# Altium PCB uTCA_MCH_PCB3.pcbdoc (part 2 of 25)
Units mil, origin at the board's own origin, x right, y up, seen from the top; angles counter-clockwise.
Board outline 7110.66 x 2894.12 mil, 12 copper layers (Top Layer, GND1, MidLayer1, PWR1, MidLayer2, GND2, PWR2, MidLayer3, GND3, MidLayer4, PWR3, Bottom Layer), stack 63.15 mil thick; 767 components, 905 nets, 4553 pads, 2832 vias.
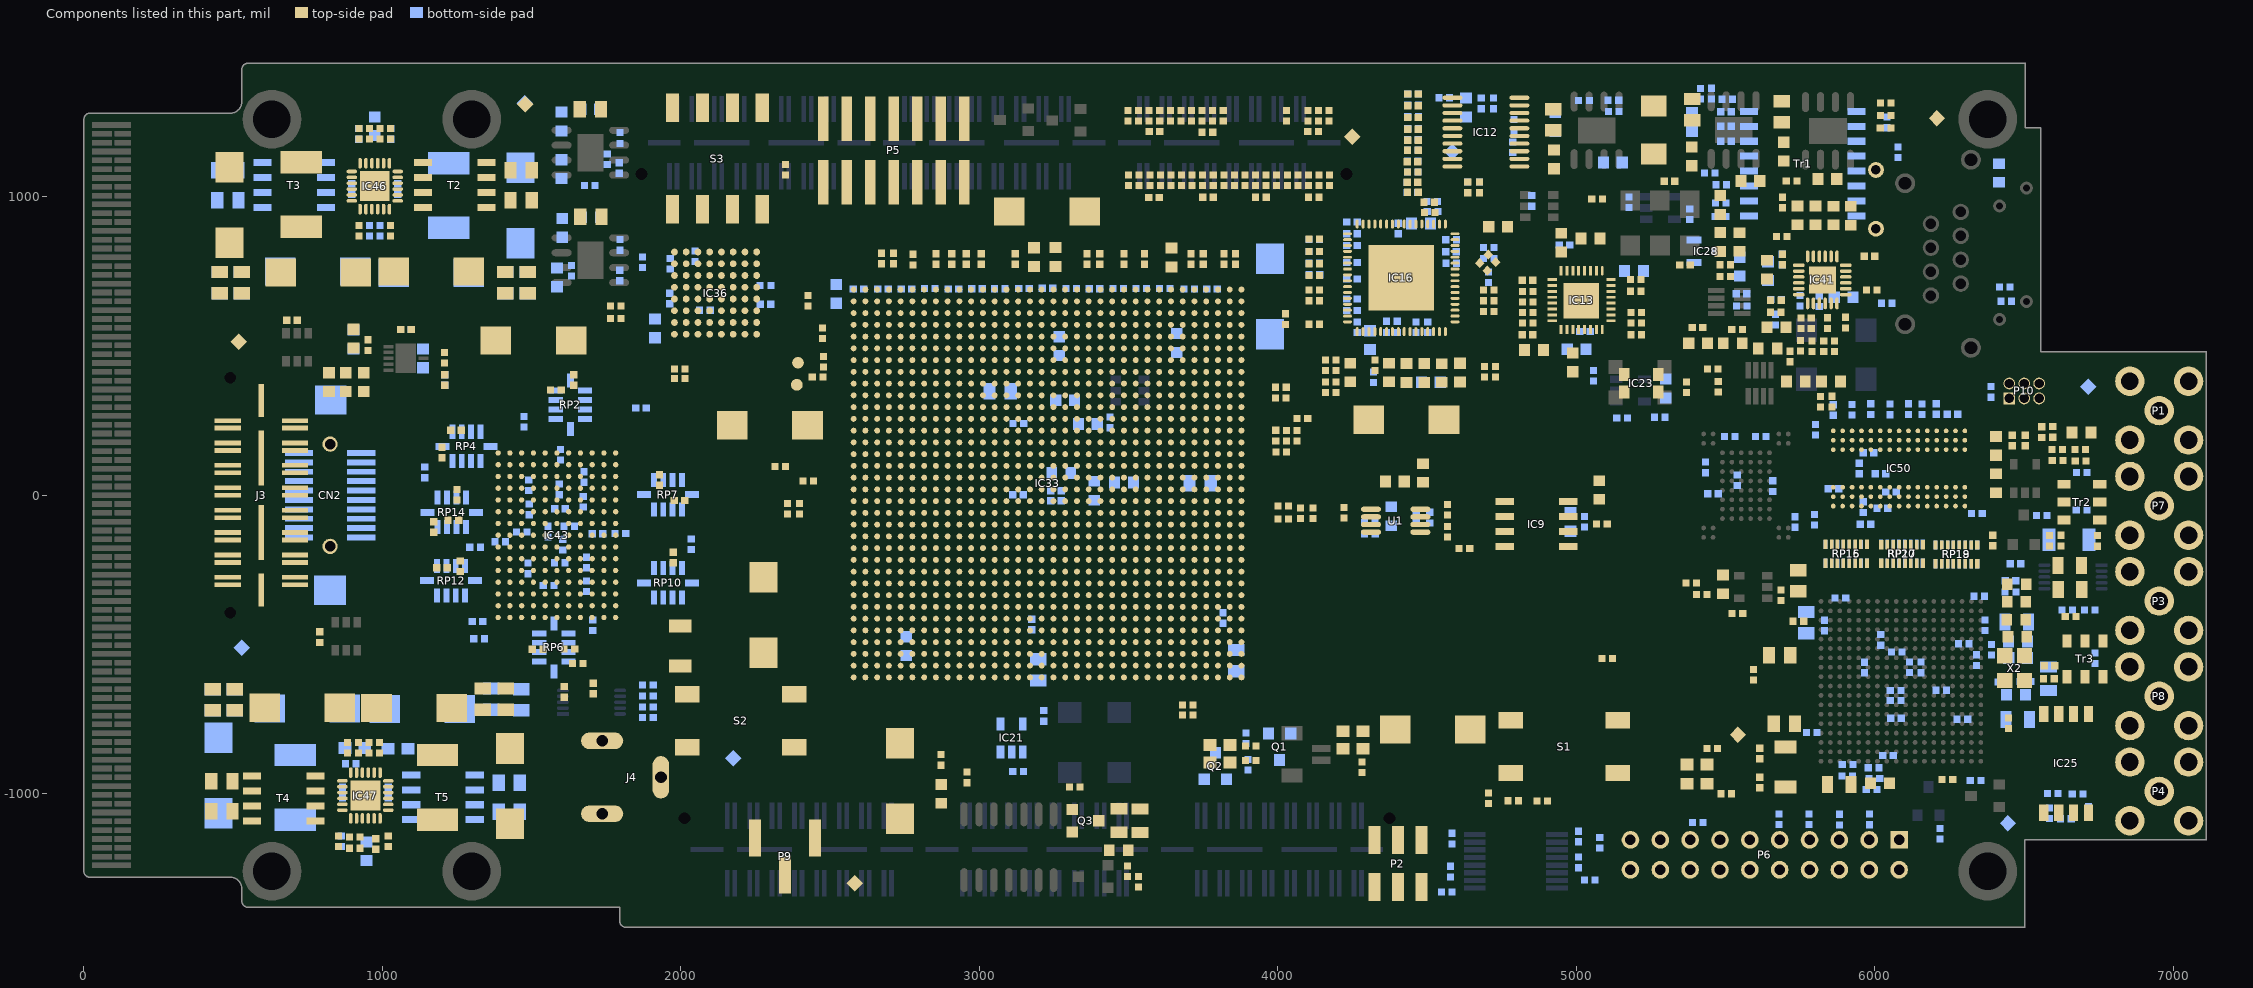
[diagram p12: the components of this part, seen from the top]

## Components (designator, comment, footprint, x,y, rotation, side; value= is the part's Value field where it differs from the comment) (continued)
L13 "IHLP2525CZER1R5M01" IHLP2525 728.35,1007.87 r270 top
L14 "IHLP2525CZER1R5M01" IHLP2525 708.2,-978.72 r90 bottom
L15 "IHLP2525CZER1R5M01" IHLP2525 1185.04,-978.35 r90 top
L16 "2200R@100MHz Ferrite Bead" 0805 6475.16,-424.49 r180 bottom
L17 "2200R@100MHz Ferrite Bead" 0805 6478.91,-751.53 r180 bottom
L18 "2200R@100MHz Ferrite Bead" 0805 5880.33,-968.83 r0 top
L19 "220R@100MHz Ferrite Bead" 0603 5735.48,380.69 r0 top
L20 "220R@100MHz Ferrite Bead" 0603 4486.38,74.48 r90 top
P1 "SMC" SMB_V-RJ45 6952.6,283.46 r0 top
P2 "MHDR2X3" HDR2x3_M22 4402.03,-1233.7 r0 top
P3 "SMC" SMB_V-RJ45 6952.6,-354.33 r0 top locked
P4 "SMC" SMB_V-RJ45 6952.6,-992.13 r0 top locked
P5 "Header 7X2" CONN_HDR_SMD_2mm_2x7 2949.72,1261.5 r180 top
P6 "Header 10X2" HDR2X10_SBH11 5631.21,-1204.67 r180 top locked
P7 "SMC" SMB_V-RJ45 6952.6,-35.43 r0 top locked
P8 "SMC" SMB_V-RJ45 6952.6,-673.23 r0 top locked
P9 "Header 3" HDR1x3_BG055 2448.93,-1147.66 r180 top
P10 "MHDR2X3" MHDR2X3_1.27mm 6450.35,324.36 r0 top
Q1 "NDS331N" SOT23-3 4005.91,-842.52 r0 bottom
Q2 "NDS331N" SOT23-3 3790.76,-907.06 r180 bottom
Q3 "NDS331N" SOT23-3 3355.58,-1090.69 r270 top
R1 "330R" 0402 6678.92,-1000.94 r0 bottom
R2 "o.c." 0402 5988.9,-985.68 r180 bottom
R3 "o.c." 0402 6430.35,-625.47 r180 bottom
R4 "10K" 0402 6389.59,346.09 r90 bottom
R5 "10k" 0402 6504.57,-624.68 r180 bottom
R6 "10k" 0402 5789.13,-795.04 r0 bottom
R7 "100K" 0402 5982.09,-1086.17 r90 bottom
R8 "100K" 0402 5881.93,-1086.44 r90 bottom
R9 "100K" 0402 5779.88,-1085.36 r90 bottom
R10 "100K" 0402 5679.45,-1085.63 r90 bottom
R11 "10k" 0402 5406.81,-1096.71 r0 bottom
R12 "4K7" 0402 6558.5,-67.17 r0 bottom
R13 "4K7" 0402 6719.33,-383.7 r0 bottom
R14 "4K7" 0402 6644.09,-383.94 r0 bottom
R15 "4K7" 0402 6293.39,-750.47 r0 bottom
R16 "4K7" 0402 1889.76,-744.09 r0 bottom
R17 "4K7" 0402 1889.76,-708.66 r0 bottom
R18 "4K7" 0402 1889.76,-635.83 r0 bottom
R19 "4K7" 0402 1889.76,-673.23 r0 bottom
R20 "470R" 0402 5457.18,422.64 r180 top
R21 "20R" 0603 4379.83,-70.53 r270 bottom
R22 "470R" 0402 5499.37,772.24 r180 top
R23 "49R9" 0402 4625.17,-178.64 r0 top
R24 "49R9" 0402 4308.27,-91.35 r0 bottom
R25 "49R9" 0402 4308.51,-129.2 r0 bottom
R26 "49R9" 0402 4568.86,-48.31 r90 top
R27 "49R9" 0402 4568.86,-122.55 r270 top
R28 "Jumper" 0402 5085.71,-95.84 r0 top
R29 "100R" 0402 4221.61,-59.1 r270 top
R30 "33R" 0402 4717.3,793.78 r315 top
R31 "100R" 0805 6653.02,-234.87 r180 top
R32 "100R" 0805 6653.67,-315.3 r180 top
R33 "470R" 0402 6584.88,-152.09 r90 top
R34 "33R" 0603 6405.86,40.05 r90 top
R35 "10k" 0402 6611.93,115.91 r0 top
R36 "2K2" 0402 6689.09,115.28 r180 top
R37 "10k" 0402 6611.06,153.19 r0 top
R38 "2K2" 0402 6688.46,153.07 r0 top
R39 "100R" 0402 2871.77,-886.77 r270 top
R40 "49R9" 0603 2871.97,-1000.63 r90 top
R41 "33R" 0603 3466.63,-1189.14 r0 top
R42 "200R" 0402 3496.5,-1259.09 r90 top
R43 "100R(o.c.)" 0402 4194.88,362.2 r90 top
R44 "100R(o.c.)" 0402 4159.45,362.2 r270 top
R45 "4K7" 0402 3900.37,-903.35 r270 bottom
R46 "330R" 0402 3893.94,-814.5 r270 bottom
R47 "4K7" 0402 2350.39,1090.55 r90 top
R48 "4K7" 0402 2425.94,651.61 r90 top
R49 "4K7" 0402 2474.41,543.31 r270 top
R50 "4K7" 0402 1781.5,592.52 r0 top
R51 "o.c." 0402 6218.73,-1134.45 r90 bottom
R52 "o.c." 0402 5103.22,-546.66 r0 top
R53 "o.c." 0402 5593.19,-601.32 r90 top
R54 "4K7" 0402 1996.06,423.23 r180 top
R55 "4K7" 0402 2047.13,800.35 r90 bottom
R56 "4K7" 0402 1995.91,390.79 r180 top
R57 "4K7" 0402 2283.46,702.76 r180 bottom
R58 "4K7" 0402 1781.5,633.86 r180 top
R59 "100R" 0402 2477.4,447.52 r90 top
R60 "o.c." 0402 4836.61,683.07 r180 top
R61 "o.c." 0402 4836.61,576.77 r180 top
R62 "o.c." 0402 4836.61,612.2 r180 top
R63 "33R" 0402 4508.22,947.48 r0 top
R64 "o.c." 0402 4836.61,647.64 r180 top
R65 "o.c." 0402 6737.4,-545.9 r90 bottom
R66 "o.c." 0402 5200.79,576.77 r0 top
R67 "o.c." 0402 5200.79,612.2 r0 top
R68 "200R" 0402 4449.9,1014.63 r0 bottom
R69 "75R" 0402 4707.03,829.86 r180 bottom
R70 "33R" 0402 4689.02,765.14 r315 top
R71 "200R" 0402 4450.62,1048.41 r0 bottom
R72 "200R" 0402 4122.05,775.59 r180 top
R73 "200R" 0402 4122.05,736.22 r180 top
R75 "49R9" 0402 3697.48,-735.79 r180 top
R76 "75R" 0402 4518.15,950.97 r180 bottom
R77 "49R9" 0402 3697.48,-702.13 r0 top
R78 "33R" 0402 4507.62,981.52 r0 top
R79 "820R" 0603 4549.21,409.45 r270 top
R80 "390R" 0603 4372.05,411.42 r90 top
R81 "200R" 0402 4675.2,1031.5 r270 bottom
R82 "200R" 0402 4635.83,1031.5 r270 bottom
R83 "4K12" 0402 4122.05,687.01 r0 top
R84 "200R" 0402 4452.39,1119.32 r180 bottom
R85 "200R" 0402 4452.38,1082.51 r180 bottom
R86 "5K1" 0402 4122.05,651.57 r0 top
R87 "200R" 0402 4452.62,1191.84 r180 bottom
R88 "200R" 0402 4452.4,1156.14 r180 bottom
R89 "200R" 0402 4452.84,1228.87 r180 bottom
R90 "100R" 0402 4786.93,1166.02 r270 bottom
R91 "200R" 0402 4452.84,1268.14 r180 bottom
R92 "200R" 0402 4452.84,1307.41 r180 bottom
R93 "200R" 0402 4452.76,1344.49 r180 bottom
R94 "75R" 0402 4706.67,792.99 r180 bottom
R95 "75R" 0402 4018.42,-36.23 r0 top
R96 "49R9 (not mounted)" 0402 2356.65,-45.79 r90 top
R97 "49R9 (not mounted)" 0402 2396.85,-45.79 r270 top
R98 "4K12" 0402 3641.73,1055.12 r90 top
R99 "4K12" 0402 3816.93,1271.65 r90 top
R100 "4K7" 0402 3500,1055.12 r90 top
R101 "1K" 0402 3606.3,1055.12 r90 top
R102 "4K7" 0402 3675.2,1271.65 r90 top
R103 "1K" 0402 3781.5,1271.65 r90 top
R104 "1K" 0402 3570.87,1055.12 r90 top
R105 "1K" 0402 3746.06,1271.65 r90 top
R106 "10k" 0402 3535.43,1055.12 r270 top
R107 "30K" 0402 3710.63,1271.65 r270 top
R108 "4K12" 0402 3818.9,1055.12 r90 top
R109 "4K12" 0402 4173.23,1055.12 r90 top
R110 "4K7" 0402 3677.17,1055.12 r90 top
R111 "4K7" 0402 4031.5,1055.12 r90 top
R112 "1K" 0402 3783.46,1055.12 r90 top
R113 "1K" 0402 4137.8,1055.12 r90 top
R114 "1K" 0402 3748.03,1055.12 r90 top
R115 "1K" 0402 4102.36,1055.12 r90 top
R116 "22K" 0402 3712.6,1055.12 r270 top
R117 "4K7" 0402 4066.93,1055.12 r270 top
R118 "4K12" 0402 3639.76,1271.65 r90 top
R119 "4K12" 0402 4171.26,1271.65 r90 top
R120 "4K7" 0402 3498.03,1271.65 r90 top
R121 "1K" 0402 3604.33,1271.65 r90 top
R122 "4K7" 0402 4029.53,1271.65 r90 top
R123 "1K" 0402 4135.83,1271.65 r90 top
R124 "1K" 0402 3568.9,1271.65 r90 top
R125 "1K" 0402 4100.39,1271.65 r90 top
R126 "4K7" 0402 3533.46,1271.65 r270 top
R127 "22K" 0402 5499.21,733.54 r0 top
R128 "10k" 0402 4728.35,413.39 r270 top
R129 "10k" 0402 4692.91,413.39 r270 top
R130 "4K12" 0402 3996.06,1055.12 r90 top
R131 "4K12" 0402 4011.81,144.68 r0 top
R132 "4K7" 0402 3854.33,1055.12 r90 top
R133 "1K" 0402 3960.63,1055.12 r90 top
R134 "4K7" 0402 4082.32,256.46 r180 top
R135 "1K" 0402 4046.26,182.09 r0 top
R136 "1K" 0402 3925.2,1055.12 r90 top
R137 "1K" 0402 4046.26,217.52 r0 top
R138 "10k" 0402 3889.76,1055.12 r270 top
R139 "22K" 0402 5475.26,363.63 r90 top
R140 "75R" 0402 4018.42,-79.99 r0 top
R141 "200R" 0402 4118.24,-60.04 r90 top
R142 "33R" 0402 6337.32,-956.16 r0 bottom
R143 "33R" 0402 6243.2,-952.88 r0 top
R144 "33R" 0402 5989.21,687.99 r180 top
R145 "470R" 0402 5553.82,633.31 r180 bottom
R146 "33R" 0402 5841.07,576.96 r90 top
R147 "33R" 0402 5751.97,576.43 r90 top
R148 "4K12" 0402 4075.83,-60.04 r270 top
R151 "33R" 0402 5786.9,576.43 r90 top
R152 "Jumper" 0402 6692.44,-49.65 r0 bottom
R153 "Jumper" 0402 6692.8,76.14 r0 bottom
R154 "49R9" 0603 5740.49,937.41 r90 top
R155 "49R9" 0603 5801.12,937.41 r90 top
R156 "49R9" 0603 5861.51,937.02 r90 top
R157 "49R9" 0603 5919.54,936.11 r90 top
R158 "100K" 0402 5907.57,-941.07 r0 bottom
R159 "1K5" 0402 5902.24,578.58 r270 top
R160 "330R" 0402 5502.07,-1000.1 r0 top
R161 "330R" 0402 5455.61,-848.52 r0 top
R162 "330R" 0402 3909.45,-888.13 r0 top
R163 "330R" 0402 3909.45,-839.45 r0 top
R164 "o.c." 0402 6596.47,-999.5 r180 bottom
R165 "10K" 0402 6585.56,-1065.06 r270 bottom
R166 "10K" 0402 6447.28,-763.58 r90 top
R167 "10K" 0402 5513.92,197.15 r0 bottom
R168 "10K" 0402 5618.01,197.54 r180 bottom
R169 "10K" 0402 5685.6,-334.83 r270 top
R170 "10K" 0402 5385.28,-293.62 r0 top
R171 "100R" 0402 5669.09,655.79 r0 bottom
R172 "33R" 0603 6473.46,-417.09 r0 top
R173 "33R" 0603 6477.4,-473.74 r0 top
R174 "49R9" 0402 5667.8,588.58 r270 bottom
R175 "30K" 0402 4885.11,-1024.06 r180 top
R176 "22K" 0402 4788.45,-1023.5 r0 top
R177 "0R" 0603 5491.23,-298.79 r90 top
R178 "4K87" 0402 1753.26,1125.37 r90 bottom
R179 "o.c." 0402 5420.51,-331.85 r180 top
R180 "2K43" 0402 1795.28,1196.85 r90 bottom
R181 "10k" 0402 1694.55,1037.18 r0 bottom
R182 "33R" 0603 6475.28,-297.83 r0 top
R183 "33R" 0603 6474.53,-356.57 r0 top
R184 "330R" 0402 4566.19,-1328.66 r180 bottom
R185 "4K7" 0402 5124.92,1285.47 r180 bottom
R186 "1K5" 0402 5453.34,1345.71 r90 bottom
R187 "Jumper" 0402 6440.06,649.95 r180 bottom
R188 "10K" 0402 5025.59,1322.83 r0 bottom
R189 "4K7" 0402 5416.56,1345.22 r90 bottom
R190 "10k" 0402 5069.17,992.09 r180 top
R191 "10k" 0402 5447.03,1079.8 r0 bottom
R192 "Jumper" 0402 5748.98,651.65 r270 bottom
R193 "100R" 0402 4577.81,-1260.61 r270 bottom
R194 "6K81" 0402 6454.45,-323.9 r180 bottom
R195 "1K5" 0402 5801.14,219.72 r90 bottom
R196 "1K5" 0402 5817.77,313.73 r90 top
R197 "12K1" 0402 5687.56,867.4 r180 top
R198 "10K" 0402 6158.5,287.78 r270 bottom
R199 "10k" 0402 6435.67,697.09 r180 bottom
R200 "4K7" 0402 5828.7,499.65 r270 top
R202 "4K7" 0402 5864.13,499.68 r270 top
R203 "4K7" 0402 5751.42,500.54 r270 top
R204 "4K12" 0402 1870.81,780.66 r90 bottom
R205 "1K" 0402 1795.28,838.58 r90 bottom
R206 "22K" 0402 883.86,-846.46 r90 top
R207 "10K" 0402 1633.02,751.61 r90 bottom
R208 "4K7" 0402 5789.53,499.53 r270 top
R209 "4K7" 0402 1027.56,1210.63 r90 top
R210 "Jumper" 0402 992.13,1210.63 r270 top
R211 "10K" 0402 5057.99,399.86 r90 bottom
R212 "10k" 0402 1078.74,555.12 r180 bottom
R213 "10k" 0402 952.46,503.18 r270 top
R214 "10k" 0402 1208.66,460.63 r270 top
R216 "249R" 0402 1249.45,1.93 r270 top
R217 "330R" 0402 2426.18,47.24 r180 top
R218 "100R" 0402 2332.68,96.46 r0 top
R219 "330R" 0402 4159.45,435.04 r270 top
R220 "100R" 0402 4194.88,435.04 r270 top
R221 "330R" 0402 4706.69,616.14 r0 top
R222 "330R" 0402 4705.17,730.4 r270 bottom
R223 "100R" 0402 4706.69,651.57 r0 top
R224 "100R" 0402 4706.69,687.01 r0 top
R225 "100R" 0402 4324.8,435.04 r270 top
R226 "330R" 0402 4320.87,395.67 r90 bottom
R227 "o.c." 0402 956.69,1210.63 r270 top
R228 "9K31" 0402 1027.56,885.83 r90 top
R229 "10K" 0402 921.26,1210.63 r90 top
R230 "2K8" 0402 921.26,885.83 r270 top
R231 "10K" 0402 956.69,885.83 r270 bottom
R232 "4K7" 0402 862.2,-1159.45 r270 bottom
R233 "Jumper" 0402 906.99,-1144.61 r180 top
R234 "9K31" 0402 919.29,-846.46 r90 top
R235 "o.c." 0402 852.36,-1159.45 r90 top
R236 "1K5" 0402 6035.89,1313.4 r180 top
R237 "4K7" 0402 6035.89,1272.43 r0 top
R238 "10K" 0402 992.13,885.83 r270 bottom
R239 "4K7" 0402 5720.81,1053.1 r0 top
R240 "4K7" 0402 1019.68,-1159.45 r270 top
R241 "13k" RESC1005X40N 990.16,-846.46 r90 top
R242 "10K" 0402 954.72,-846.46 r90 top
R243 "4K7" 0402 893.7,-899.61 r0 bottom
R245 "100R" 0402 4791.14,1240.55 r270 bottom
R246 "200R" 0402 4122.05,856.3 r180 bottom
R247 "200R" 0402 4122.05,816.93 r180 bottom
R248 "4K7" 0402 4557.62,1331.73 r0 bottom
R249 "4K7" 0402 4025.71,590.34 r90 top
R250 "100R" 0402 6715.47,-1060.74 r90 bottom
R251 "Jumper" 0402 4009.97,325.32 r180 top
R252 "4K7" 0402 3319,-977.68 r0 top
R253 "75R" 0402 6078.09,1149.28 r90 bottom
R254 "75R" 0402 6041.13,1248.84 r270 bottom
R255 "75R" 0402 4517.55,983.89 r180 bottom
R256 "4K7" 0402 3532.8,-1294.91 r270 top
R257 "100R" 0805 3538.43,-1090.28 r270 top
R258 "100R" 0805 3468.19,-1089.48 r270 top
RP2 "47R x 8" EXBE 1629.92,303.15 r180 bottom
RP4 "47R x 8" EXBE 1281.5,163.39 r90 bottom
RP6 "47R x 8" EXBE 1574.8,-509.84 r0 bottom
RP7 "47R x 8" EXBE 1956.69,1.97 r270 bottom
RP10 "47R x 8" EXBE 1956.69,-293.31 r270 bottom
RP12 "47R x 8" EXBE 1229.91,-286.23 r270 bottom
RP14 "47R x 8" EXBE 1232.28,-57.09 r270 bottom
RP15 "27R x 8" RESCAXS50P160X380X60-16N 5904.17,-196.16 r90 top
RP16 "27R x 8" RESCAXS50P160X380X60-16N 5904.41,-196.55 r90 bottom
RP17 "27R x 8" RESCAXS50P160X380X60-16N 6091.26,-196.83 r90 top
RP18 "27R x 8" RESCAXS50P160X380X60-16N 6273.07,-198.13 r90 top
RP19 "27R x 8" RESCAXS50P160X380X60-16N 6273.07,-198.13 r90 bottom
RP20 "27R x 8" RESCAXS50P160X380X60-16N 6090.59,-195.72 r90 bottom
S1 "FSM6JSMA" SWITCH-FSM6JSMA 4959.5,-841.86 r270 top
S2 "FSM6JSMA" SWITCH-FSM6JSMA 2200.79,-755.91 r270 top
S3 "219-4MST" NHDS-8 1972.44,958.66 r90 top
T2 "IRF9910Pbf" SOIC127P600X175-8N 1242.13,1039.37 r0 top
T3 "IRF9910Pbf" SOIC127P600X175-8N 704.72,1039.37 r180 bottom
T4 "IRF9910Pbf" SOIC127P600X175-8N 669.29,-1015.75 r180 top
T5 "IRF9910Pbf" SOIC127P600X175-8N 1202.76,-1011.81 r0 bottom
TP1 "Test Point" TEST_PAD_1mm 2392.36,443.86 r0 top
TP2 "Test Point" TEST_PAD_1mm 2388.39,369.84 r0 top
Tr1 "TR_H1260NL" H1260NL 5577.94,935.98 r0 bottom
Tr2 "WBC1-1LB" SMT6P150P 6633.62,-82.87 r90 top
Tr3 "WBC1-1LB" SMT6P150P 6763.78,-608.41 r180 top
U1 "MC100EP52DR2" TSOP65P490-8AN 4394.72,-85.29 r0 top
X1 "ABS09-32.768KHZ-T" XTAL_abs09 5700.47,-843.67 r270 top
X2 "7M-12.000MAAJ-T" OSC_IQD_CFPS-39 6468.19,-579.27 r180 top
X3 "ABS09-32.768KHZ-7-T" XTAL_abs09 6582.83,-148.94 r0 bottom
X4 "ABS09-32.768KHZ-7-T" XTAL_abs09 1998.35,-572.4 r90 top

## Footprints (in the part's own frame and the unit in brackets; to place one, negate y for a bottom-side part, rotate by r counter-clockwise, add the part's x,y. Pads: shape width x height; smd on the part's side, far side on the other; paste and mask are expansions set on the pad)
8MW_8CN3_Merge [mm] "Double Row QFN, 8Leads, Body 6,1x8,1mm (max), Pitch 1,27mm, IPC Medium Density"
  rect 1.4x0.8 smd: 1(-4.2,1.905) 2(-4.2,0.635) 3(-4.2,-0.635) 4(-4.2,-1.905) 5(4.2,-1.905) 6(4.2,-0.635) 7(4.2,0.635) 8(4.2,1.905)
  silkscreen extent -4.82,-3.05 4.05,3.26, body extent -4.06,-3.05 4.06,3.02, height 1
0402 [mm] "Chip Resistor, EIA 0402, Metric 1005, Body 1.0x0.5mm, IPC Medium Density"
  rect 0.6x0.6 smd: 1(-0.45,0) 2(0.45,0)
  body extent -0.52,-0.27 0.53,0.28, height 0.4
0603 [mm] "Chip Resistor, EIA 0603, Metric 1608, Body 1.6x0.8mm, IPC Medium Density"
  rect 0.9x1 smd: 1(-0.8,0) 2(0.8,0)
  silkscreen extent 0,-0.5 0,0.5, body extent -0.87,-0.47 0.88,0.48, height 0.55
0805 [mm] "Chip Resistor, EIA 0805, Metric 2012, Body 2.0x1.25mm, IPC Medium Density"
  rect 0.95x1.45 smd: 1(-1,0) 2(1,0)
  silkscreen extent 0,-0.55 0,0.55, body extent -1.1,-0.67 1.1,0.68, height 0.5
948E-02_N [mm] "TSOP, 20-Leads, Body 6.5x4.4mm, Pitch 0.65mm, IPC Medium Density"
  oval 1.7x0.35 smd: 1(-2.85,2.925) 2(-2.85,2.275) 3(-2.85,1.625) 4(-2.85,0.975) 5(-2.85,0.325) 6(-2.85,-0.325) 7(-2.85,-0.975) 8(-2.85,-1.625) 9(-2.85,-2.275) 10(-2.85,-2.925) 11(2.85,-2.925) 12(2.85,-2.275) 13(2.85,-1.625) 14(2.85,-0.975) 15(2.85,-0.325) 16(2.85,0.325) 17(2.85,0.975) 18(2.85,1.625) 19(2.85,2.275) 20(2.85,2.925)
  silkscreen extent -2.97,-3.3 1.6,3.77, body extent -2.25,-3.3 2.25,3.3, height 1.2
BGA64C100P8X8_1300X1000X120 [mm] "BGA, 64-Leads, Body 13,0x10,0mm,  Pitch 1,00mm"
  round 0.58 smd: A1(-3.5,3.5) A2(-2.5,3.5) A3(-1.5,3.5) A4(-0.5,3.5) A5(0.5,3.5) A6(1.5,3.5) A7(2.5,3.5) A8(3.5,3.5) B1(-3.5,2.5) B2(-2.5,2.5) B3(-1.5,2.5) B4(-0.5,2.5) B5(0.5,2.5) B6(1.5,2.5) B7(2.5,2.5) B8(3.5,2.5) C1(-3.5,1.5) C2(-2.5,1.5) C3(-1.5,1.5) C4(-0.5,1.5) C5(0.5,1.5) C6(1.5,1.5) C7(2.5,1.5) C8(3.5,1.5) D1(-3.5,0.5) D2(-2.5,0.5) D3(-1.5,0.5) D4(-0.5,0.5) D5(0.5,0.5) D6(1.5,0.5) D7(2.5,0.5) D8(3.5,0.5) E1(-3.5,-0.5) E2(-2.5,-0.5) E3(-1.5,-0.5) E4(-0.5,-0.5) E5(0.5,-0.5) E6(1.5,-0.5) E7(2.5,-0.5) E8(3.5,-0.5) F1(-3.5,-1.5) F2(-2.5,-1.5) F3(-1.5,-1.5) F4(-0.5,-1.5) F5(0.5,-1.5) F6(1.5,-1.5) F7(2.5,-1.5) F8(3.5,-1.5) G1(-3.5,-2.5) G2(-2.5,-2.5) G3(-1.5,-2.5) G4(-0.5,-2.5) G5(0.5,-2.5) G6(1.5,-2.5) G7(2.5,-2.5) G8(3.5,-2.5) H1(-3.5,-3.5) H2(-2.5,-3.5) H3(-1.5,-3.5) H4(-0.5,-3.5) H5(0.5,-3.5) H6(1.5,-3.5) H7(2.5,-3.5) H8(3.5,-3.5)
  silkscreen extent -5.76,-6.5 5,6.58, body extent -5,-6.5 5,6.5, height 1.2
BGA90C80P9X15_1250X800X120 [mm] "BGA 0.8mm, Pitch, Square 90 Pin, 9 Columns x 15 Rows, Body 12.5mm X 8mm X 1.2mm H"
  round 0.4 smd: A1(-3.2,5.6) A2(-2.4,5.6) A3(-1.6,5.6) A7(1.6,5.6) A8(2.4,5.6) A9(3.2,5.6) B1(-3.2,4.8) B2(-2.4,4.8) B3(-1.6,4.8) B7(1.6,4.8) B8(2.4,4.8) B9(3.2,4.8) C1(-3.2,4) C2(-2.4,4) C3(-1.6,4) C7(1.6,4) C8(2.4,4) C9(3.2,4) D1(-3.2,3.2) D2(-2.4,3.2) D3(-1.6,3.2) D7(1.6,3.2) D8(2.4,3.2) D9(3.2,3.2) E1(-3.2,2.4) E2(-2.4,2.4) E3(-1.6,2.4) E7(1.6,2.4) E8(2.4,2.4) E9(3.2,2.4) F1(-3.2,1.6) F2(-2.4,1.6) F3(-1.6,1.6) F7(1.6,1.6) F8(2.4,1.6) F9(3.2,1.6) G1(-3.2,0.8) G2(-2.4,0.8) G3(-1.6,0.8) G7(1.6,0.8) G8(2.4,0.8) G9(3.2,0.8) H1(-3.2,0) H2(-2.4,0) H3(-1.6,0) H7(1.6,0) H8(2.4,0) H9(3.2,0) J1(-3.2,-0.8) J2(-2.4,-0.8) J3(-1.6,-0.8) J7(1.6,-0.8) J8(2.4,-0.8) J9(3.2,-0.8) K1(-3.2,-1.6) K2(-2.413,-1.6) K3(-1.6,-1.6) K7(1.6,-1.6) K8(2.4,-1.6) K9(3.2,-1.6) L1(-3.2,-2.4) L2(-2.4,-2.4) L3(-1.6,-2.4) L7(1.6,-2.4) L8(2.4,-2.4) L9(3.2,-2.4) M1(-3.2,-3.2) M2(-2.4,-3.2) M3(-1.6,-3.2) M7(1.6,-3.2) M8(2.4,-3.2) M9(3.2,-3.2) N1(-3.2,-4) N2(-2.4,-4) N3(-1.6,-4) N7(1.6,-4) N8(2.4,-4) N9(3.2,-4) P1(-3.2,-4.8) P2(-2.4,-4.8) P3(-1.6,-4.8) P7(1.6,-4.8) P8(2.4,-4.8) P9(3.2,-4.8) R1(-3.2,-5.6) R2(-2.4,-5.6) R3(-1.6,-5.6) R7(1.6,-5.6) R8(2.4,-5.6) R9(3.2,-5.6)
  silkscreen extent -4.75,-6.25 4,6.28
BGA165C100P11X15_1300X1500X140 [mm] "BGA, 1.00mm pitch,rect.;165 pin, 11 columns X 15 rows, 13.00mm X 15.00mm X 1.40mm H"
  round 0.45 smd: A1(-5,7) A2(-4,7) A3(-3,7) A4(-2,7) A5(-1,7) A6(0,7) A7(1,7) A8(2,7) A9(3,7) A10(4,7) A11(5,7) B1(-5,6) B2(-4,6) B3(-3,6) B4(-2,6) B5(-1,6) B6(0,6) B7(1,6) B8(2,6) B9(3,6) B10(4,6) B11(5,6) C1(-5,5) C2(-4,5) C3(-3,5) C4(-2,5) C5(-1,5) C6(0,5) C7(1,5) C8(2,5) C9(3,5) C10(4,5) C11(5,5) D1(-5,4) D2(-4,4) D3(-3,4) D4(-2,4) D5(-1,4) D6(0,4) D7(1,4) D8(2,4) D9(3,4) D10(4,4) D11(5,4) E1(-5,3) E2(-4,3) E3(-3,3) E4(-2,3) E5(-1,3) E6(0,3) E7(1,3) E8(2,3) E9(3,3) E10(4,3) E11(5,3) F1(-5,2) F2(-4,2) F3(-3,2) F4(-2,2) F5(-1,2) F6(0,2) F7(1,2) F8(2,2) F9(3,2) F10(4,2) F11(5,2) G1(-5,1) G2(-4,1) G3(-3,1) G4(-2,1) G5(-1,1) G6(0,1) G7(1,1) G8(2,1) G9(3,1) G10(4,1) G11(5,1) H1(-5,0) H2(-4,0) H3(-3,0) H4(-2,0) H5(-1,0) H6(0,0) H7(1,0) H8(2,0) H9(3,0) H10(4,0) H11(5,0) J1(-5,-1) J2(-4,-1) J3(-3,-1) J4(-2,-1) J5(-1,-1) J6(0,-1) J7(1,-1) J8(2,-1) J9(3,-1) J10(4,-1) J11(5,-1) K1(-5,-2) K2(-4,-2) K3(-3,-2) K4(-2,-2) K5(-1,-2) K6(0,-2) K7(1,-2) K8(2,-2) K9(3,-2) K10(4,-2) K11(5,-2) L1(-5,-3) L2(-4,-3) L3(-3,-3) L4(-2,-3) L5(-1,-3) L6(0,-3) L7(1,-3) L8(2,-3) L9(3,-3) L10(4,-3) L11(5,-3) M1(-5,-4) M2(-4,-4) M3(-3,-4) M4(-2,-4) M5(-1,-4) M6(0,-4) M7(1,-4) M8(2,-4) M9(3,-4) M10(4,-4) M11(5,-4) N1(-5,-5) N2(-4,-5) N3(-3,-5) N4(-2,-5) N5(-1,-5) N6(0,-5) N7(1,-5) N8(2,-5) N9(3,-5) N10(4,-5) N11(5,-5) P1(-5,-6) P2(-4,-6) P3(-3,-6) P4(-2,-6) P5(-1,-6) P6(0,-6) P7(1,-6) P8(2,-6) P9(3,-6) P10(4,-6) P11(5,-6) R1(-5,-7) R2(-4,-7) R3(-3,-7) R4(-2,-7) R5(-1,-7) R6(0,-7) R7(1,-7) R8(2,-7) R9(3,-7) R10(4,-7) R11(5,-7)
  silkscreen extent -7.23,-7.6 6.5,7.87, body extent -6.5,-7.5 6.5,7.5, height 1.4
CAPR500-250X720X650 [mm] "Capacitor Radial, Pin spacing 5.0mm - Body With 2.5mm X Body Length 7.2mm X Body Height 6.5mm"
  round 1.35 hole 0.8: 1(-2.5,0) 2(2.5,0)
  silkscreen extent -3.6,-1.25 3.6,1.25, body extent -3.6,-1.25 3.6,1.25, height 6.5
CC1005-0402 [mm] "Chip Capacitor, Body 1.0x0.55mm, IPC Medium Density"
  rect 0.62x0.62 smd: 1(-0.45,0) 2(0.45,0)
  body extent -0.52,-0.27 0.53,0.28, height 0.55
CC1608-0603 [mm] "Chip Capacitor, Body 1.6x0.8mm IPC Medium Density"
  rect 0.95x1 smd: 1(-0.8,0) 2(0.8,0)
  silkscreen extent 0,-0.5 0,0.5, body extent -0.87,-0.48 0.87,0.48, height 0.87
CC2012-0805 [mm] "Chip Capacitor, Body 2.0x1.25mm, IPC Medium Density"
  rect 1.05x1.4 smd: 1(-0.9,0) 2(0.9,0)
  silkscreen extent 0,-0.7 0,0.7, body extent -1.05,-0.67 1.05,0.68, height 1.25
CD1608-0603 [mm] "Chip Diode; Body 1.6 x 0.8 mm (LxW typ)"
  rect 1.1x1 smd: 1(-0.85,0) 2(0.85,0)
  silkscreen extent 1.7,-0.4 1.7,0.4
CONN_HDR_SMD_2mm_2x7 [mm] "SMD 2mm Header, Body 9.3mm x 15.4mm x 6.7mm"
  rect 0.9x3.8 smd: 1(0,0) 2(0,5.4) 3(2,0) 4(2,5.4) 5(4,0) 6(4,5.4) 7(6,0) 8(6,5.4) 9(8,0) 10(8,5.4) 11(10,0) 12(10,5.4) 13(12,0) 14(12,5.4)
  silkscreen extent -1.65,-0.82 13.71,6.08
D [mm] "Capacitor, SM Tantalum; Body 7.3 x 4.3 mm (LxW typ)"
  rect 2.6x2.4 smd: 1(-3.2,0) 2(3.2,0)
  silkscreen extent -4.57,-2.3 3.8,2.43
dc-10 [mm] "DC-10 PCB mounting  pin / ring type with  switch. Rated 12V /  5A. DC10A with  2.1mm dia. pin.  DC10B with 2.5mm  dia. pin"
  rrect100% 1.4x3.6 hole 1 slot 3.2 at 90 deg: 1(0,0) 3(6.2,0)
  rrect100% 3.6x1.4 hole 1 slot 3.2 at 0 deg: 2(3.1,5)
  silkscreen extent -1,-4.5 13.7,4.5
DO-214AA/SMB-MCC [mm] "DO-214AA/SMB Diode footprint for S2M MCC"
  rect 1.8x2.2 smd: 1(2.04,0) 2(-2.04,0)
  silkscreen extent -2.3,-2 2.3,2